# Altium PCB PCB2.PcbDoc (part 1 of 2)
Units mm, origin at the board's own origin, x right, y up, seen from the top; angles counter-clockwise.
Board outline 124.33 x 164.59 mm, 2 copper layers (Top Layer, Bottom Layer); 320 components, 0 nets, 960 pads, 0 vias.
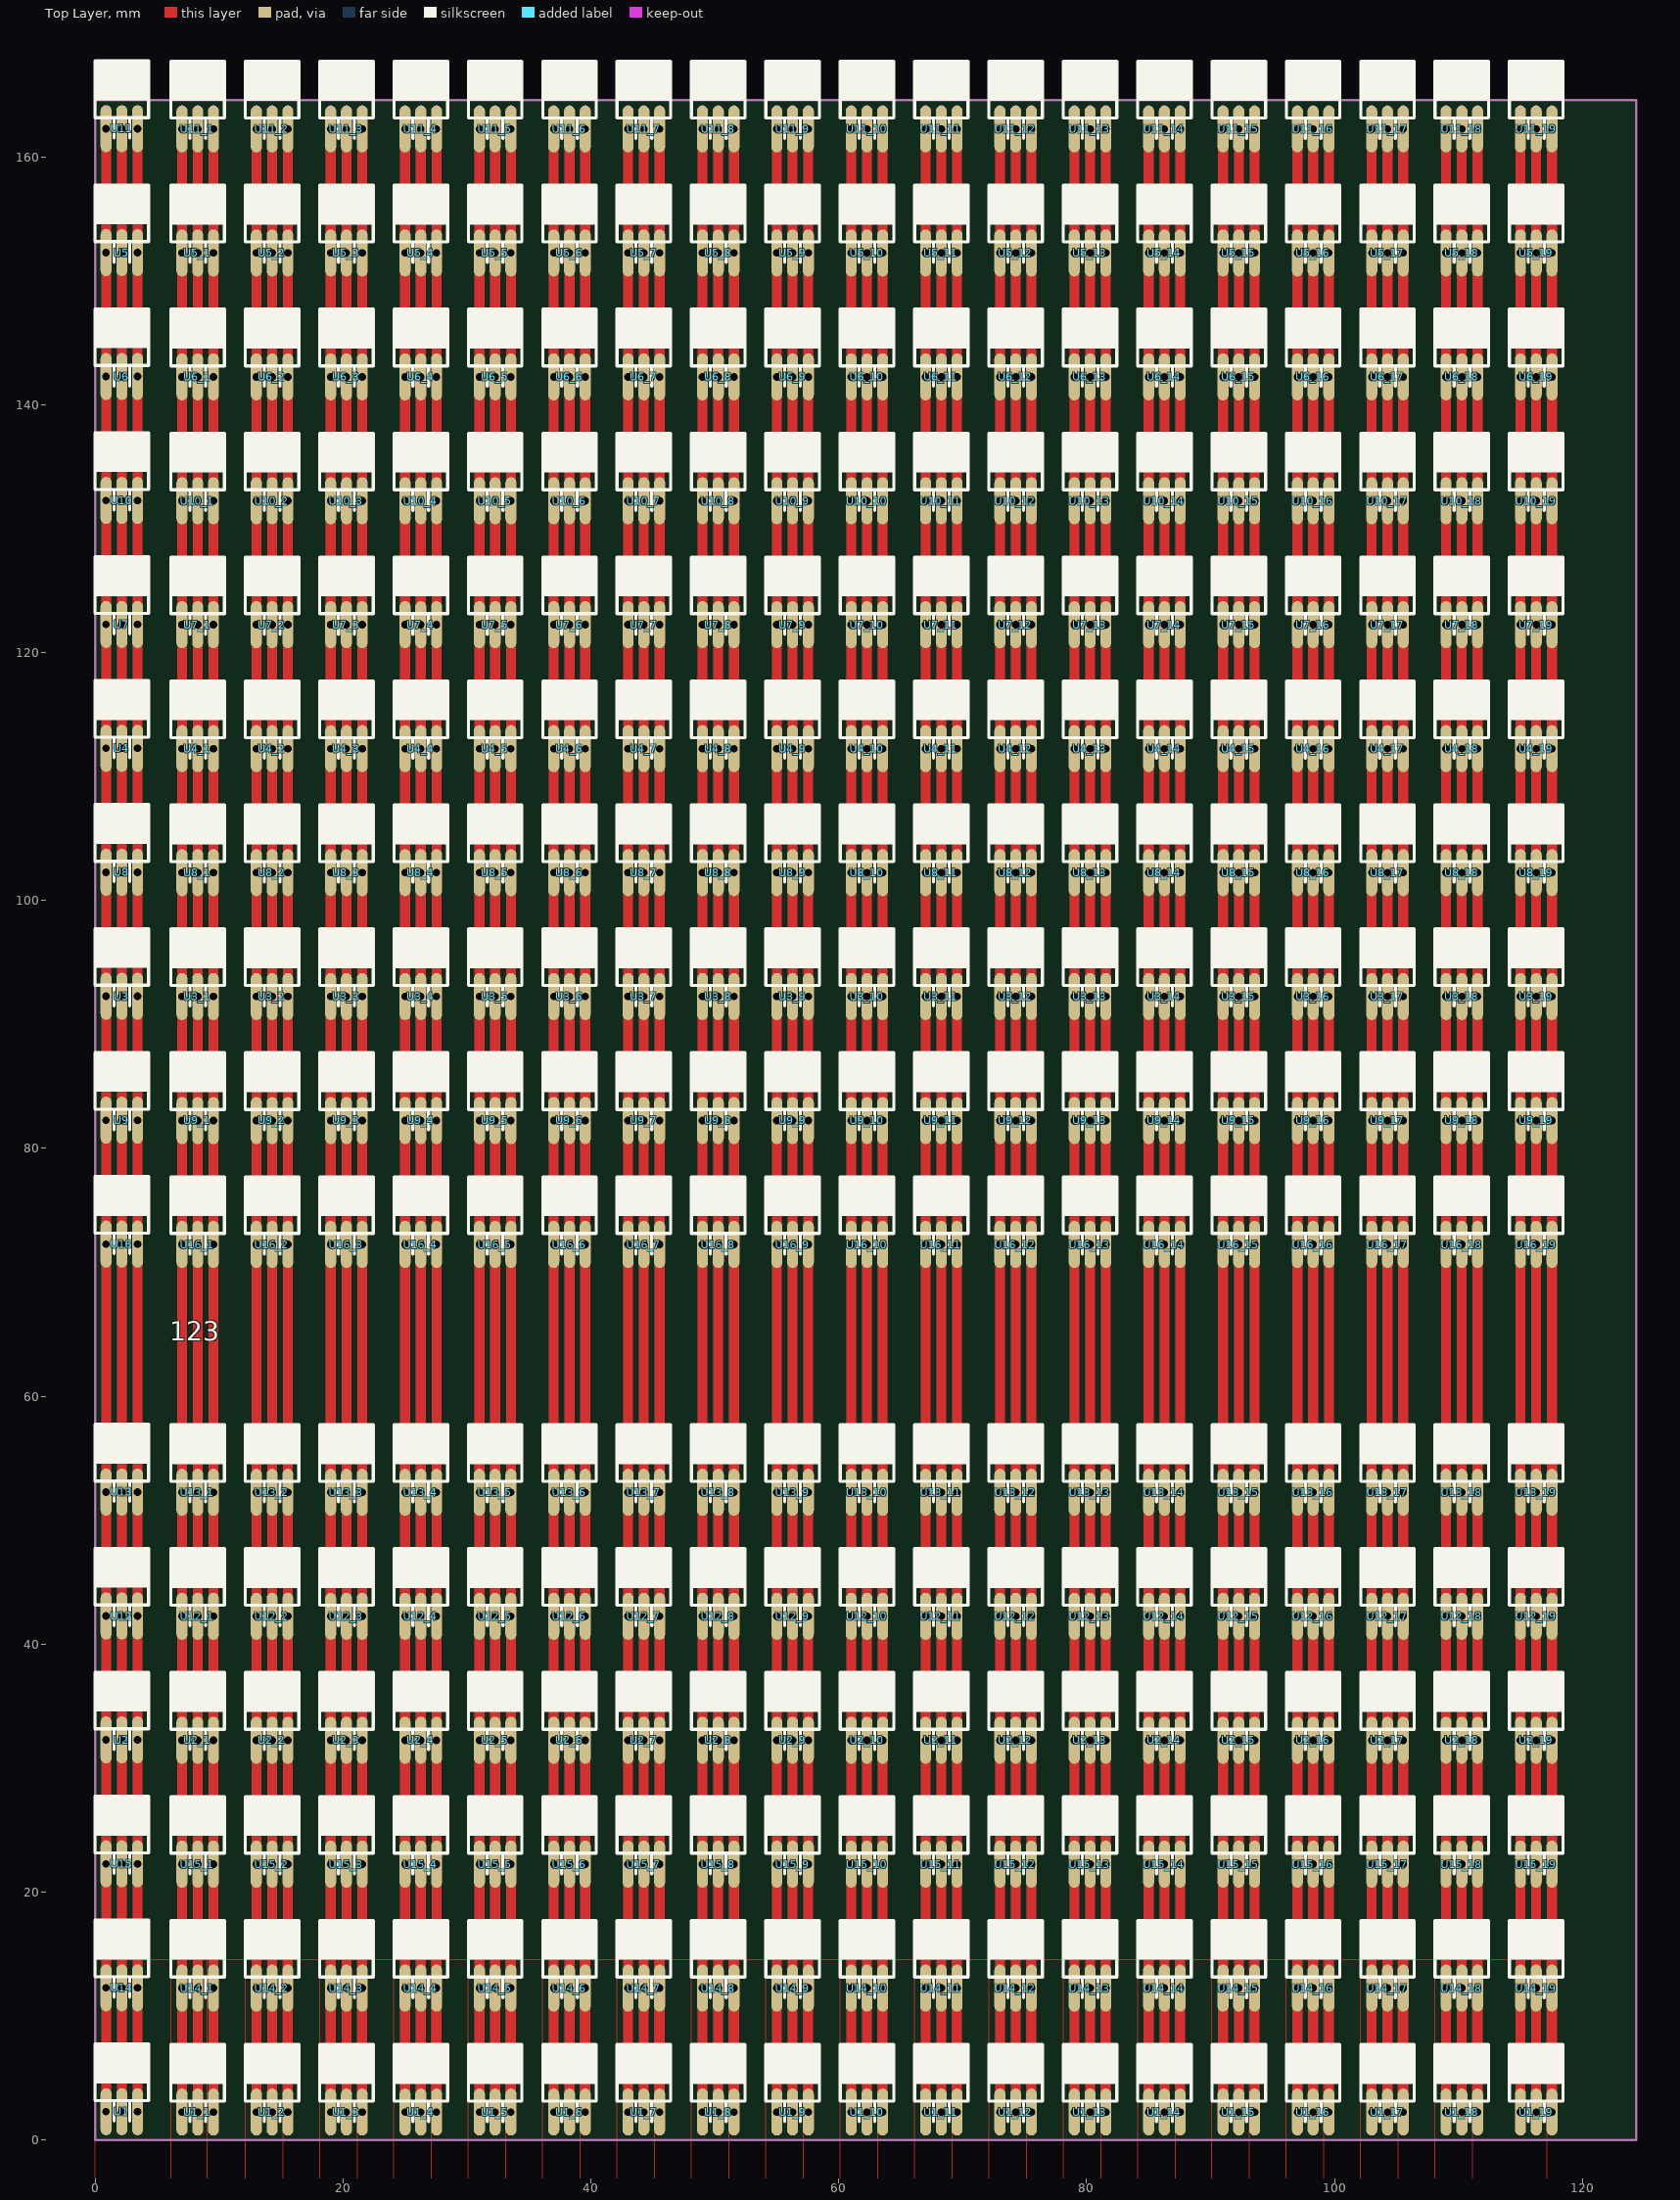
[diagram p0: Top Layer view]
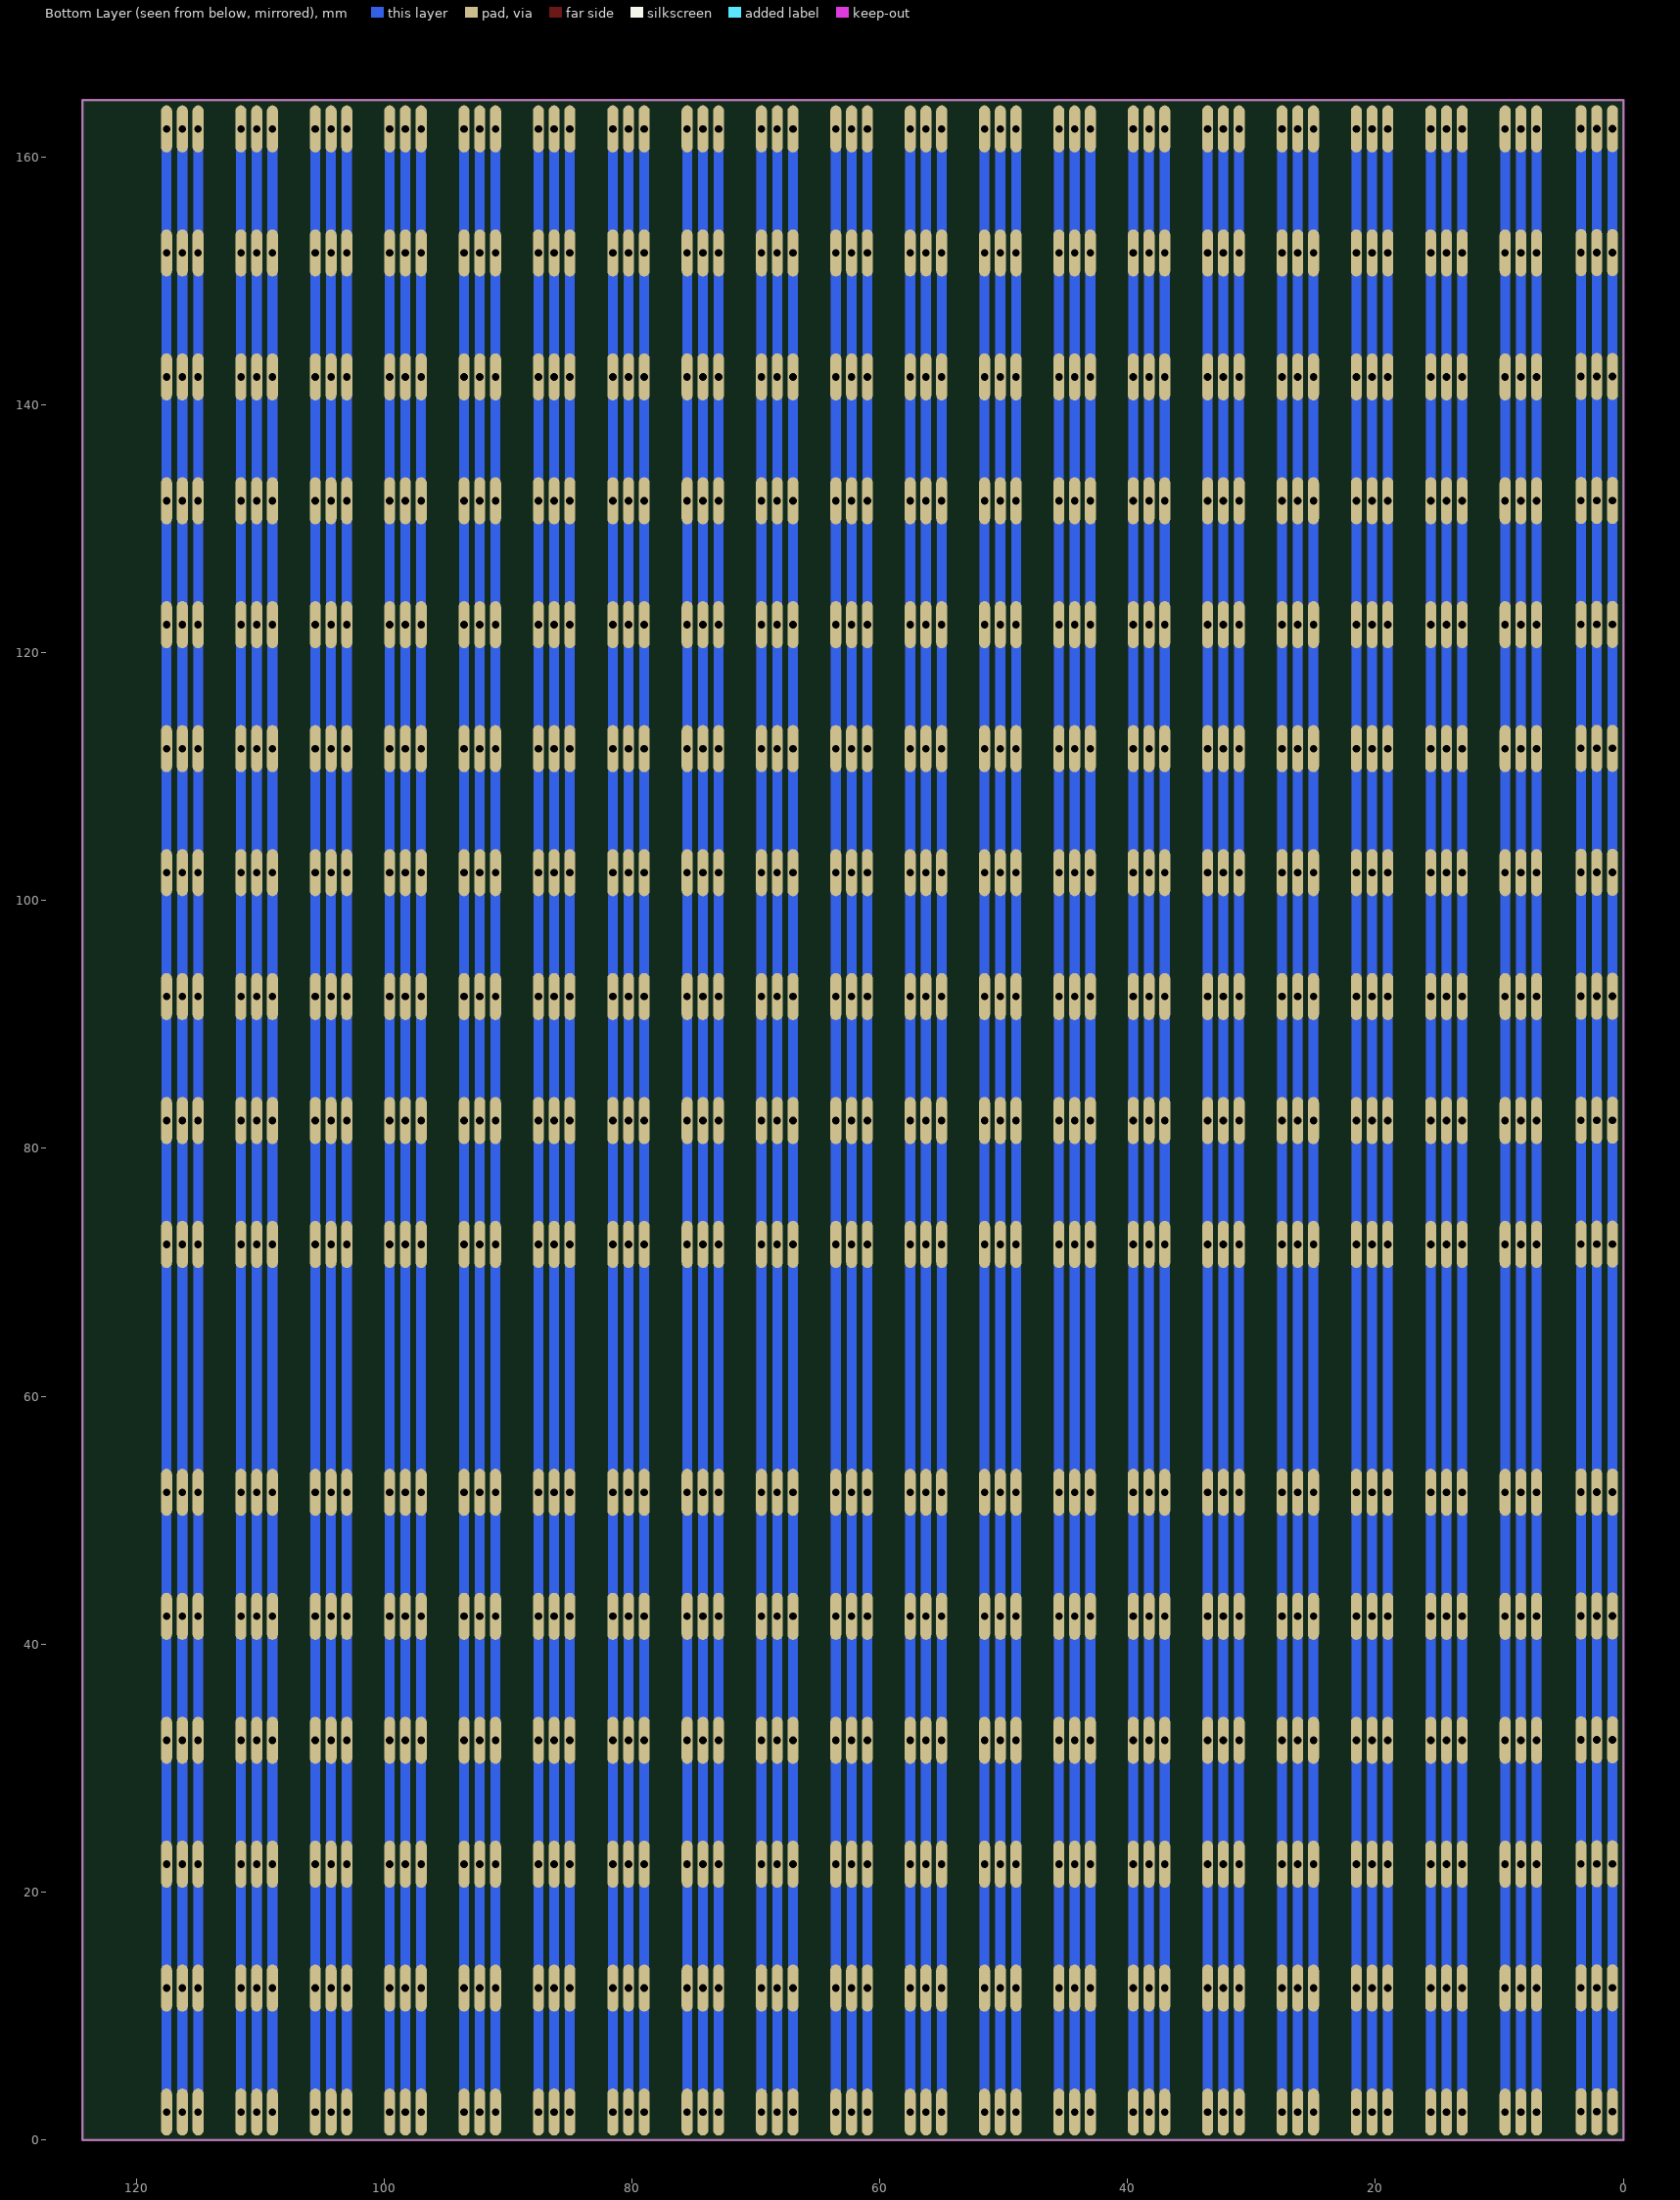
[diagram p1: Bottom Layer view, seen from below]

## Layer stack, top to bottom
Top Solder: solder mask 0.0102, Solder Resist, Dk 3.5
Top Layer: signal copper 0.0356
Dielectric 1: dielectric 0.32, FR-4, Dk 4.8
Bottom Layer: signal copper 0.0356
Bottom Solder: solder mask 0.0102, Solder Resist, Dk 3.5

## Board outline
-0.009,-0.006 124.324,-0.006 124.324,164.586 -0.009,164.586

## Design rules (kind name [scope] priority, off if disabled: settings)
Clearance [All] p1: gap=0.254 ignorepadtopadclearanceinfootprint=FALSE
PolygonConnect [All] p1: connectstyle=Relief reliefconductorwidth=0.254 reliefentries=4 polygonreliefangle="90 Angle" airgapwidth=0.254
RoutingVias [All] p1: holewidth=0.711 width=1.27 viastyle="Through Hole" minholewidth=0.711 minwidth=1.27 maxholewidth=0.711 maxwidth=1.27
SolderMaskExpansion [All] p1: expansion=0.102 istentingtop=FALSE
Width [All] p1: maxlimit=0.254 minlimit=0.254 preferedwidth=0.254
30 further rules are at their usual default settings.

## Components (designator, comment, footprint, x,y, rotation, side; value= is the part's Value field where it differs from the comment)
U1 "U1881_Hall" U1881 2.145,6.209 r0 top
U1_1 "U1881_Hall" U1881 8.27,6.184 r0 top (schematic designator U1)
U1_2 "U1881_Hall" U1881 14.27,6.184 r0 top (schematic designator U1)
U1_3 "U1881_Hall" U1881 20.27,6.184 r0 top (schematic designator U1)
U1_4 "U1881_Hall" U1881 26.27,6.184 r0 top (schematic designator U1)
U1_5 "U1881_Hall" U1881 32.27,6.184 r0 top (schematic designator U1)
U1_6 "U1881_Hall" U1881 38.27,6.184 r0 top (schematic designator U1)
U1_7 "U1881_Hall" U1881 44.27,6.184 r0 top (schematic designator U1)
U1_8 "U1881_Hall" U1881 50.27,6.184 r0 top (schematic designator U1)
U1_9 "U1881_Hall" U1881 56.27,6.184 r0 top (schematic designator U1)
U1_10 "U1881_Hall" U1881 62.27,6.184 r0 top (schematic designator U1)
U1_11 "U1881_Hall" U1881 68.27,6.184 r0 top (schematic designator U1)
U1_12 "U1881_Hall" U1881 74.27,6.184 r0 top (schematic designator U1)
U1_13 "U1881_Hall" U1881 80.27,6.184 r0 top (schematic designator U1)
U1_14 "U1881_Hall" U1881 86.27,6.184 r0 top (schematic designator U1)
U1_15 "U1881_Hall" U1881 92.27,6.184 r0 top (schematic designator U1)
U1_16 "U1881_Hall" U1881 98.27,6.184 r0 top (schematic designator U1)
U1_17 "U1881_Hall" U1881 104.27,6.184 r0 top (schematic designator U1)
U1_18 "U1881_Hall" U1881 110.27,6.184 r0 top (schematic designator U1)
U1_19 "U1881_Hall" U1881 116.27,6.184 r0 top (schematic designator U1)
U2 "U1881_Hall" U1881 2.145,36.209 r0 top
U2_1 "U1881_Hall" U1881 8.27,36.184 r0 top (schematic designator U2)
U2_2 "U1881_Hall" U1881 14.27,36.184 r0 top (schematic designator U2)
U2_3 "U1881_Hall" U1881 20.27,36.184 r0 top (schematic designator U2)
U2_4 "U1881_Hall" U1881 26.27,36.184 r0 top (schematic designator U2)
U2_5 "U1881_Hall" U1881 32.27,36.184 r0 top (schematic designator U2)
U2_6 "U1881_Hall" U1881 38.27,36.184 r0 top (schematic designator U2)
U2_7 "U1881_Hall" U1881 44.27,36.184 r0 top (schematic designator U2)
U2_8 "U1881_Hall" U1881 50.27,36.184 r0 top (schematic designator U2)
U2_9 "U1881_Hall" U1881 56.27,36.184 r0 top (schematic designator U2)
U2_10 "U1881_Hall" U1881 62.27,36.184 r0 top (schematic designator U2)
U2_11 "U1881_Hall" U1881 68.27,36.184 r0 top (schematic designator U2)
U2_12 "U1881_Hall" U1881 74.27,36.184 r0 top (schematic designator U2)
U2_13 "U1881_Hall" U1881 80.27,36.184 r0 top (schematic designator U2)
U2_14 "U1881_Hall" U1881 86.27,36.184 r0 top (schematic designator U2)
U2_15 "U1881_Hall" U1881 92.27,36.184 r0 top (schematic designator U2)
U2_16 "U1881_Hall" U1881 98.27,36.184 r0 top (schematic designator U2)
U2_17 "U1881_Hall" U1881 104.27,36.184 r0 top (schematic designator U2)
U2_18 "U1881_Hall" U1881 110.27,36.184 r0 top (schematic designator U2)
U2_19 "U1881_Hall" U1881 116.27,36.184 r0 top (schematic designator U2)
U3 "U1881_Hall" U1881 2.145,96.209 r0 top
U3_1 "U1881_Hall" U1881 8.27,96.184 r0 top (schematic designator U3)
U3_2 "U1881_Hall" U1881 14.27,96.184 r0 top (schematic designator U3)
U3_3 "U1881_Hall" U1881 20.27,96.184 r0 top (schematic designator U3)
U3_4 "U1881_Hall" U1881 26.27,96.184 r0 top (schematic designator U3)
U3_5 "U1881_Hall" U1881 32.27,96.184 r0 top (schematic designator U3)
U3_6 "U1881_Hall" U1881 38.27,96.184 r0 top (schematic designator U3)
U3_7 "U1881_Hall" U1881 44.27,96.184 r0 top (schematic designator U3)
U3_8 "U1881_Hall" U1881 50.27,96.184 r0 top (schematic designator U3)
U3_9 "U1881_Hall" U1881 56.27,96.184 r0 top (schematic designator U3)
U3_10 "U1881_Hall" U1881 62.27,96.184 r0 top (schematic designator U3)
U3_11 "U1881_Hall" U1881 68.27,96.184 r0 top (schematic designator U3)
U3_12 "U1881_Hall" U1881 74.27,96.184 r0 top (schematic designator U3)
U3_13 "U1881_Hall" U1881 80.27,96.184 r0 top (schematic designator U3)
U3_14 "U1881_Hall" U1881 86.27,96.184 r0 top (schematic designator U3)
U3_15 "U1881_Hall" U1881 92.27,96.184 r0 top (schematic designator U3)
U3_16 "U1881_Hall" U1881 98.27,96.184 r0 top (schematic designator U3)
U3_17 "U1881_Hall" U1881 104.27,96.184 r0 top (schematic designator U3)
U3_18 "U1881_Hall" U1881 110.27,96.184 r0 top (schematic designator U3)
U3_19 "U1881_Hall" U1881 116.27,96.184 r0 top (schematic designator U3)
U4 "U1881_Hall" U1881 2.145,116.209 r0 top
U4_1 "U1881_Hall" U1881 8.27,116.184 r0 top (schematic designator U4)
U4_2 "U1881_Hall" U1881 14.27,116.184 r0 top (schematic designator U4)
U4_3 "U1881_Hall" U1881 20.27,116.184 r0 top (schematic designator U4)
U4_4 "U1881_Hall" U1881 26.27,116.184 r0 top (schematic designator U4)
U4_5 "U1881_Hall" U1881 32.27,116.184 r0 top (schematic designator U4)
U4_6 "U1881_Hall" U1881 38.27,116.184 r0 top (schematic designator U4)
U4_7 "U1881_Hall" U1881 44.27,116.184 r0 top (schematic designator U4)
U4_8 "U1881_Hall" U1881 50.27,116.184 r0 top (schematic designator U4)
U4_9 "U1881_Hall" U1881 56.27,116.184 r0 top (schematic designator U4)
U4_10 "U1881_Hall" U1881 62.27,116.184 r0 top (schematic designator U4)
U4_11 "U1881_Hall" U1881 68.27,116.184 r0 top (schematic designator U4)
U4_12 "U1881_Hall" U1881 74.27,116.184 r0 top (schematic designator U4)
U4_13 "U1881_Hall" U1881 80.27,116.184 r0 top (schematic designator U4)
U4_14 "U1881_Hall" U1881 86.27,116.184 r0 top (schematic designator U4)
U4_15 "U1881_Hall" U1881 92.27,116.184 r0 top (schematic designator U4)
U4_16 "U1881_Hall" U1881 98.27,116.184 r0 top (schematic designator U4)
U4_17 "U1881_Hall" U1881 104.27,116.184 r0 top (schematic designator U4)
U4_18 "U1881_Hall" U1881 110.27,116.184 r0 top (schematic designator U4)
U4_19 "U1881_Hall" U1881 116.27,116.184 r0 top (schematic designator U4)
U5 "U1881_Hall" U1881 2.145,156.209 r0 top
U5_1 "U1881_Hall" U1881 8.27,156.184 r0 top (schematic designator U5)
U5_2 "U1881_Hall" U1881 14.27,156.184 r0 top (schematic designator U5)
U5_3 "U1881_Hall" U1881 20.27,156.184 r0 top (schematic designator U5)
U5_4 "U1881_Hall" U1881 26.27,156.184 r0 top (schematic designator U5)
U5_5 "U1881_Hall" U1881 32.27,156.184 r0 top (schematic designator U5)
U5_6 "U1881_Hall" U1881 38.27,156.184 r0 top (schematic designator U5)
U5_7 "U1881_Hall" U1881 44.27,156.184 r0 top (schematic designator U5)
U5_8 "U1881_Hall" U1881 50.27,156.184 r0 top (schematic designator U5)
U5_9 "U1881_Hall" U1881 56.27,156.184 r0 top (schematic designator U5)
U5_10 "U1881_Hall" U1881 62.27,156.184 r0 top (schematic designator U5)
U5_11 "U1881_Hall" U1881 68.27,156.184 r0 top (schematic designator U5)
U5_12 "U1881_Hall" U1881 74.27,156.184 r0 top (schematic designator U5)
U5_13 "U1881_Hall" U1881 80.27,156.184 r0 top (schematic designator U5)
U5_14 "U1881_Hall" U1881 86.27,156.184 r0 top (schematic designator U5)
U5_15 "U1881_Hall" U1881 92.27,156.184 r0 top (schematic designator U5)
U5_16 "U1881_Hall" U1881 98.27,156.184 r0 top (schematic designator U5)
U5_17 "U1881_Hall" U1881 104.27,156.184 r0 top (schematic designator U5)
U5_18 "U1881_Hall" U1881 110.27,156.184 r0 top (schematic designator U5)
U5_19 "U1881_Hall" U1881 116.27,156.184 r0 top (schematic designator U5)
U6 "U1881_Hall" U1881 2.145,146.209 r0 top
U6_1 "U1881_Hall" U1881 8.27,146.184 r0 top (schematic designator U6)
U6_2 "U1881_Hall" U1881 14.27,146.184 r0 top (schematic designator U6)
U6_3 "U1881_Hall" U1881 20.27,146.184 r0 top (schematic designator U6)
U6_4 "U1881_Hall" U1881 26.27,146.184 r0 top (schematic designator U6)
U6_5 "U1881_Hall" U1881 32.27,146.184 r0 top (schematic designator U6)
U6_6 "U1881_Hall" U1881 38.27,146.184 r0 top (schematic designator U6)
U6_7 "U1881_Hall" U1881 44.27,146.184 r0 top (schematic designator U6)
U6_8 "U1881_Hall" U1881 50.27,146.184 r0 top (schematic designator U6)
U6_9 "U1881_Hall" U1881 56.27,146.184 r0 top (schematic designator U6)
U6_10 "U1881_Hall" U1881 62.27,146.184 r0 top (schematic designator U6)
U6_11 "U1881_Hall" U1881 68.27,146.184 r0 top (schematic designator U6)
U6_12 "U1881_Hall" U1881 74.27,146.184 r0 top (schematic designator U6)
U6_13 "U1881_Hall" U1881 80.27,146.184 r0 top (schematic designator U6)
U6_14 "U1881_Hall" U1881 86.27,146.184 r0 top (schematic designator U6)
U6_15 "U1881_Hall" U1881 92.27,146.184 r0 top (schematic designator U6)
U6_16 "U1881_Hall" U1881 98.27,146.184 r0 top (schematic designator U6)
U6_17 "U1881_Hall" U1881 104.27,146.184 r0 top (schematic designator U6)
U6_18 "U1881_Hall" U1881 110.27,146.184 r0 top (schematic designator U6)
U6_19 "U1881_Hall" U1881 116.27,146.184 r0 top (schematic designator U6)
U7 "U1881_Hall" U1881 2.145,126.209 r0 top
U7_1 "U1881_Hall" U1881 8.27,126.184 r0 top (schematic designator U7)
U7_2 "U1881_Hall" U1881 14.27,126.184 r0 top (schematic designator U7)
U7_3 "U1881_Hall" U1881 20.27,126.184 r0 top (schematic designator U7)
U7_4 "U1881_Hall" U1881 26.27,126.184 r0 top (schematic designator U7)
U7_5 "U1881_Hall" U1881 32.27,126.184 r0 top (schematic designator U7)
U7_6 "U1881_Hall" U1881 38.27,126.184 r0 top (schematic designator U7)
U7_7 "U1881_Hall" U1881 44.27,126.184 r0 top (schematic designator U7)
U7_8 "U1881_Hall" U1881 50.27,126.184 r0 top (schematic designator U7)
U7_9 "U1881_Hall" U1881 56.27,126.184 r0 top (schematic designator U7)
U7_10 "U1881_Hall" U1881 62.27,126.184 r0 top (schematic designator U7)
U7_11 "U1881_Hall" U1881 68.27,126.184 r0 top (schematic designator U7)
U7_12 "U1881_Hall" U1881 74.27,126.184 r0 top (schematic designator U7)
U7_13 "U1881_Hall" U1881 80.27,126.184 r0 top (schematic designator U7)
U7_14 "U1881_Hall" U1881 86.27,126.184 r0 top (schematic designator U7)
U7_15 "U1881_Hall" U1881 92.27,126.184 r0 top (schematic designator U7)
U7_16 "U1881_Hall" U1881 98.27,126.184 r0 top (schematic designator U7)
U7_17 "U1881_Hall" U1881 104.27,126.184 r0 top (schematic designator U7)
U7_18 "U1881_Hall" U1881 110.27,126.184 r0 top (schematic designator U7)
U7_19 "U1881_Hall" U1881 116.27,126.184 r0 top (schematic designator U7)
U8 "U1881_Hall" U1881 2.145,106.209 r0 top
U8_1 "U1881_Hall" U1881 8.27,106.184 r0 top (schematic designator U8)
U8_2 "U1881_Hall" U1881 14.27,106.184 r0 top (schematic designator U8)
U8_3 "U1881_Hall" U1881 20.27,106.184 r0 top (schematic designator U8)
U8_4 "U1881_Hall" U1881 26.27,106.184 r0 top (schematic designator U8)
U8_5 "U1881_Hall" U1881 32.27,106.184 r0 top (schematic designator U8)
U8_6 "U1881_Hall" U1881 38.27,106.184 r0 top (schematic designator U8)
U8_7 "U1881_Hall" U1881 44.27,106.184 r0 top (schematic designator U8)
U8_8 "U1881_Hall" U1881 50.27,106.184 r0 top (schematic designator U8)
U8_9 "U1881_Hall" U1881 56.27,106.184 r0 top (schematic designator U8)
U8_10 "U1881_Hall" U1881 62.27,106.184 r0 top (schematic designator U8)
U8_11 "U1881_Hall" U1881 68.27,106.184 r0 top (schematic designator U8)
U8_12 "U1881_Hall" U1881 74.27,106.184 r0 top (schematic designator U8)
U8_13 "U1881_Hall" U1881 80.27,106.184 r0 top (schematic designator U8)
U8_14 "U1881_Hall" U1881 86.27,106.184 r0 top (schematic designator U8)
U8_15 "U1881_Hall" U1881 92.27,106.184 r0 top (schematic designator U8)
U8_16 "U1881_Hall" U1881 98.27,106.184 r0 top (schematic designator U8)
U8_17 "U1881_Hall" U1881 104.27,106.184 r0 top (schematic designator U8)
U8_18 "U1881_Hall" U1881 110.27,106.184 r0 top (schematic designator U8)
U8_19 "U1881_Hall" U1881 116.27,106.184 r0 top (schematic designator U8)
U9 "U1881_Hall" U1881 2.145,86.209 r0 top
U9_1 "U1881_Hall" U1881 8.27,86.184 r0 top (schematic designator U9)
U9_2 "U1881_Hall" U1881 14.27,86.184 r0 top (schematic designator U9)
U9_3 "U1881_Hall" U1881 20.27,86.184 r0 top (schematic designator U9)
U9_4 "U1881_Hall" U1881 26.27,86.184 r0 top (schematic designator U9)
U9_5 "U1881_Hall" U1881 32.27,86.184 r0 top (schematic designator U9)
U9_6 "U1881_Hall" U1881 38.27,86.184 r0 top (schematic designator U9)
U9_7 "U1881_Hall" U1881 44.27,86.184 r0 top (schematic designator U9)
U9_8 "U1881_Hall" U1881 50.27,86.184 r0 top (schematic designator U9)
U9_9 "U1881_Hall" U1881 56.27,86.184 r0 top (schematic designator U9)
U9_10 "U1881_Hall" U1881 62.27,86.184 r0 top (schematic designator U9)
U9_11 "U1881_Hall" U1881 68.27,86.184 r0 top (schematic designator U9)
U9_12 "U1881_Hall" U1881 74.27,86.184 r0 top (schematic designator U9)
U9_13 "U1881_Hall" U1881 80.27,86.184 r0 top (schematic designator U9)
U9_14 "U1881_Hall" U1881 86.27,86.184 r0 top (schematic designator U9)
U9_15 "U1881_Hall" U1881 92.27,86.184 r0 top (schematic designator U9)
U9_16 "U1881_Hall" U1881 98.27,86.184 r0 top (schematic designator U9)
U9_17 "U1881_Hall" U1881 104.27,86.184 r0 top (schematic designator U9)
U9_18 "U1881_Hall" U1881 110.27,86.184 r0 top (schematic designator U9)
U9_19 "U1881_Hall" U1881 116.27,86.184 r0 top (schematic designator U9)
U10 "U1881_Hall" U1881 2.145,136.209 r0 top
U10_1 "U1881_Hall" U1881 8.27,136.184 r0 top (schematic designator U10)
U10_2 "U1881_Hall" U1881 14.27,136.184 r0 top (schematic designator U10)
U10_3 "U1881_Hall" U1881 20.27,136.184 r0 top (schematic designator U10)
U10_4 "U1881_Hall" U1881 26.27,136.184 r0 top (schematic designator U10)
U10_5 "U1881_Hall" U1881 32.27,136.184 r0 top (schematic designator U10)
U10_6 "U1881_Hall" U1881 38.27,136.184 r0 top (schematic designator U10)
U10_7 "U1881_Hall" U1881 44.27,136.184 r0 top (schematic designator U10)
U10_8 "U1881_Hall" U1881 50.27,136.184 r0 top (schematic designator U10)
U10_9 "U1881_Hall" U1881 56.27,136.184 r0 top (schematic designator U10)
U10_10 "U1881_Hall" U1881 62.27,136.184 r0 top (schematic designator U10)
U10_11 "U1881_Hall" U1881 68.27,136.184 r0 top (schematic designator U10)
U10_12 "U1881_Hall" U1881 74.27,136.184 r0 top (schematic designator U10)
U10_13 "U1881_Hall" U1881 80.27,136.184 r0 top (schematic designator U10)
U10_14 "U1881_Hall" U1881 86.27,136.184 r0 top (schematic designator U10)
U10_15 "U1881_Hall" U1881 92.27,136.184 r0 top (schematic designator U10)
U10_16 "U1881_Hall" U1881 98.27,136.184 r0 top (schematic designator U10)
U10_17 "U1881_Hall" U1881 104.27,136.184 r0 top (schematic designator U10)
U10_18 "U1881_Hall" U1881 110.27,136.184 r0 top (schematic designator U10)
U10_19 "U1881_Hall" U1881 116.27,136.184 r0 top (schematic designator U10)
U11 "U1881_Hall" U1881 2.145,166.209 r0 top
U11_1 "U1881_Hall" U1881 8.27,166.184 r0 top (schematic designator U11)
U11_2 "U1881_Hall" U1881 14.27,166.184 r0 top (schematic designator U11)
U11_3 "U1881_Hall" U1881 20.27,166.184 r0 top (schematic designator U11)
U11_4 "U1881_Hall" U1881 26.27,166.184 r0 top (schematic designator U11)
U11_5 "U1881_Hall" U1881 32.27,166.184 r0 top (schematic designator U11)
U11_6 "U1881_Hall" U1881 38.27,166.184 r0 top (schematic designator U11)
U11_7 "U1881_Hall" U1881 44.27,166.184 r0 top (schematic designator U11)
U11_8 "U1881_Hall" U1881 50.27,166.184 r0 top (schematic designator U11)
U11_9 "U1881_Hall" U1881 56.27,166.184 r0 top (schematic designator U11)
U11_10 "U1881_Hall" U1881 62.27,166.184 r0 top (schematic designator U11)
U11_11 "U1881_Hall" U1881 68.27,166.184 r0 top (schematic designator U11)
U11_12 "U1881_Hall" U1881 74.27,166.184 r0 top (schematic designator U11)
U11_13 "U1881_Hall" U1881 80.27,166.184 r0 top (schematic designator U11)
U11_14 "U1881_Hall" U1881 86.27,166.184 r0 top (schematic designator U11)
U11_15 "U1881_Hall" U1881 92.27,166.184 r0 top (schematic designator U11)
U11_16 "U1881_Hall" U1881 98.27,166.184 r0 top (schematic designator U11)
U11_17 "U1881_Hall" U1881 104.27,166.184 r0 top (schematic designator U11)
U11_18 "U1881_Hall" U1881 110.27,166.184 r0 top (schematic designator U11)
U11_19 "U1881_Hall" U1881 116.27,166.184 r0 top (schematic designator U11)
U12 "U1881_Hall" U1881 2.145,46.209 r0 top
U12_1 "U1881_Hall" U1881 8.27,46.184 r0 top (schematic designator U12)
U12_2 "U1881_Hall" U1881 14.27,46.184 r0 top (schematic designator U12)
U12_3 "U1881_Hall" U1881 20.27,46.184 r0 top (schematic designator U12)
U12_4 "U1881_Hall" U1881 26.27,46.184 r0 top (schematic designator U12)
U12_5 "U1881_Hall" U1881 32.27,46.184 r0 top (schematic designator U12)
U12_6 "U1881_Hall" U1881 38.27,46.184 r0 top (schematic designator U12)
U12_7 "U1881_Hall" U1881 44.27,46.184 r0 top (schematic designator U12)
U12_8 "U1881_Hall" U1881 50.27,46.184 r0 top (schematic designator U12)
U12_9 "U1881_Hall" U1881 56.27,46.184 r0 top (schematic designator U12)
U12_10 "U1881_Hall" U1881 62.27,46.184 r0 top (schematic designator U12)
U12_11 "U1881_Hall" U1881 68.27,46.184 r0 top (schematic designator U12)
U12_12 "U1881_Hall" U1881 74.27,46.184 r0 top (schematic designator U12)
U12_13 "U1881_Hall" U1881 80.27,46.184 r0 top (schematic designator U12)
U12_14 "U1881_Hall" U1881 86.27,46.184 r0 top (schematic designator U12)
U12_15 "U1881_Hall" U1881 92.27,46.184 r0 top (schematic designator U12)
U12_16 "U1881_Hall" U1881 98.27,46.184 r0 top (schematic designator U12)
U12_17 "U1881_Hall" U1881 104.27,46.184 r0 top (schematic designator U12)
U12_18 "U1881_Hall" U1881 110.27,46.184 r0 top (schematic designator U12)
U12_19 "U1881_Hall" U1881 116.27,46.184 r0 top (schematic designator U12)
U13 "U1881_Hall" U1881 2.145,56.209 r0 top
U13_1 "U1881_Hall" U1881 8.27,56.184 r0 top (schematic designator U13)
U13_2 "U1881_Hall" U1881 14.27,56.184 r0 top (schematic designator U13)
U13_3 "U1881_Hall" U1881 20.27,56.184 r0 top (schematic designator U13)
U13_4 "U1881_Hall" U1881 26.27,56.184 r0 top (schematic designator U13)
U13_5 "U1881_Hall" U1881 32.27,56.184 r0 top (schematic designator U13)
U13_6 "U1881_Hall" U1881 38.27,56.184 r0 top (schematic designator U13)
U13_7 "U1881_Hall" U1881 44.27,56.184 r0 top (schematic designator U13)
U13_8 "U1881_Hall" U1881 50.27,56.184 r0 top (schematic designator U13)
U13_9 "U1881_Hall" U1881 56.27,56.184 r0 top (schematic designator U13)
U13_10 "U1881_Hall" U1881 62.27,56.184 r0 top (schematic designator U13)
U13_11 "U1881_Hall" U1881 68.27,56.184 r0 top (schematic designator U13)
U13_12 "U1881_Hall" U1881 74.27,56.184 r0 top (schematic designator U13)
U13_13 "U1881_Hall" U1881 80.27,56.184 r0 top (schematic designator U13)
U13_14 "U1881_Hall" U1881 86.27,56.184 r0 top (schematic designator U13)
U13_15 "U1881_Hall" U1881 92.27,56.184 r0 top (schematic designator U13)
U13_16 "U1881_Hall" U1881 98.27,56.184 r0 top (schematic designator U13)
U13_17 "U1881_Hall" U1881 104.27,56.184 r0 top (schematic designator U13)
U13_18 "U1881_Hall" U1881 110.27,56.184 r0 top (schematic designator U13)
U13_19 "U1881_Hall" U1881 116.27,56.184 r0 top (schematic designator U13)
U14 "U1881_Hall" U1881 2.145,16.209 r0 top
U14_1 "U1881_Hall" U1881 8.27,16.184 r0 top (schematic designator U14)
U14_2 "U1881_Hall" U1881 14.27,16.184 r0 top (schematic designator U14)
U14_3 "U1881_Hall" U1881 20.27,16.184 r0 top (schematic designator U14)
U14_4 "U1881_Hall" U1881 26.27,16.184 r0 top (schematic designator U14)
U14_5 "U1881_Hall" U1881 32.27,16.184 r0 top (schematic designator U14)
U14_6 "U1881_Hall" U1881 38.27,16.184 r0 top (schematic designator U14)
U14_7 "U1881_Hall" U1881 44.27,16.184 r0 top (schematic designator U14)
U14_8 "U1881_Hall" U1881 50.27,16.184 r0 top (schematic designator U14)
U14_9 "U1881_Hall" U1881 56.27,16.184 r0 top (schematic designator U14)
U14_10 "U1881_Hall" U1881 62.27,16.184 r0 top (schematic designator U14)
U14_11 "U1881_Hall" U1881 68.27,16.184 r0 top (schematic designator U14)
U14_12 "U1881_Hall" U1881 74.27,16.184 r0 top (schematic designator U14)
U14_13 "U1881_Hall" U1881 80.27,16.184 r0 top (schematic designator U14)
U14_14 "U1881_Hall" U1881 86.27,16.184 r0 top (schematic designator U14)
U14_15 "U1881_Hall" U1881 92.27,16.184 r0 top (schematic designator U14)
U14_16 "U1881_Hall" U1881 98.27,16.184 r0 top (schematic designator U14)
U14_17 "U1881_Hall" U1881 104.27,16.184 r0 top (schematic designator U14)
U14_18 "U1881_Hall" U1881 110.27,16.184 r0 top (schematic designator U14)
U14_19 "U1881_Hall" U1881 116.27,16.184 r0 top (schematic designator U14)
U15 "U1881_Hall" U1881 2.145,26.209 r0 top
U15_1 "U1881_Hall" U1881 8.27,26.184 r0 top (schematic designator U15)
U15_2 "U1881_Hall" U1881 14.27,26.184 r0 top (schematic designator U15)
U15_3 "U1881_Hall" U1881 20.27,26.184 r0 top (schematic designator U15)
U15_4 "U1881_Hall" U1881 26.27,26.184 r0 top (schematic designator U15)
U15_5 "U1881_Hall" U1881 32.27,26.184 r0 top (schematic designator U15)
U15_6 "U1881_Hall" U1881 38.27,26.184 r0 top (schematic designator U15)
U15_7 "U1881_Hall" U1881 44.27,26.184 r0 top (schematic designator U15)
U15_8 "U1881_Hall" U1881 50.27,26.184 r0 top (schematic designator U15)
U15_9 "U1881_Hall" U1881 56.27,26.184 r0 top (schematic designator U15)
U15_10 "U1881_Hall" U1881 62.27,26.184 r0 top (schematic designator U15)
U15_11 "U1881_Hall" U1881 68.27,26.184 r0 top (schematic designator U15)
U15_12 "U1881_Hall" U1881 74.27,26.184 r0 top (schematic designator U15)
U15_13 "U1881_Hall" U1881 80.27,26.184 r0 top (schematic designator U15)
U15_14 "U1881_Hall" U1881 86.27,26.184 r0 top (schematic designator U15)
U15_15 "U1881_Hall" U1881 92.27,26.184 r0 top (schematic designator U15)
U15_16 "U1881_Hall" U1881 98.27,26.184 r0 top (schematic designator U15)
U15_17 "U1881_Hall" U1881 104.27,26.184 r0 top (schematic designator U15)
U15_18 "U1881_Hall" U1881 110.27,26.184 r0 top (schematic designator U15)
U15_19 "U1881_Hall" U1881 116.27,26.184 r0 top (schematic designator U15)
U16 "U1881_Hall" U1881 2.145,76.209 r0 top
U16_1 "U1881_Hall" U1881 8.27,76.184 r0 top (schematic designator U16)
U16_2 "U1881_Hall" U1881 14.27,76.184 r0 top (schematic designator U16)
U16_3 "U1881_Hall" U1881 20.27,76.184 r0 top (schematic designator U16)
U16_4 "U1881_Hall" U1881 26.27,76.184 r0 top (schematic designator U16)
U16_5 "U1881_Hall" U1881 32.27,76.184 r0 top (schematic designator U16)
U16_6 "U1881_Hall" U1881 38.27,76.184 r0 top (schematic designator U16)
U16_7 "U1881_Hall" U1881 44.27,76.184 r0 top (schematic designator U16)
U16_8 "U1881_Hall" U1881 50.27,76.184 r0 top (schematic designator U16)
U16_9 "U1881_Hall" U1881 56.27,76.184 r0 top (schematic designator U16)
U16_10 "U1881_Hall" U1881 62.27,76.184 r0 top (schematic designator U16)
U16_11 "U1881_Hall" U1881 68.27,76.184 r0 top (schematic designator U16)
U16_12 "U1881_Hall" U1881 74.27,76.184 r0 top (schematic designator U16)
U16_13 "U1881_Hall" U1881 80.27,76.184 r0 top (schematic designator U16)
U16_14 "U1881_Hall" U1881 86.27,76.184 r0 top (schematic designator U16)
U16_15 "U1881_Hall" U1881 92.27,76.184 r0 top (schematic designator U16)
U16_16 "U1881_Hall" U1881 98.27,76.184 r0 top (schematic designator U16)
U16_17 "U1881_Hall" U1881 104.27,76.184 r0 top (schematic designator U16)
U16_18 "U1881_Hall" U1881 110.27,76.184 r0 top (schematic designator U16)
U16_19 "U1881_Hall" U1881 116.27,76.184 r0 top (schematic designator U16)

## Footprints (in the part's own frame and the unit in brackets; to place one, negate y for a bottom-side part, rotate by r counter-clockwise, add the part's x,y. Pads: shape width x height; smd on the part's side, far side on the other; paste and mask are expansions set on the pad)
U1881 [mil]
  oval 35x149.61 hole 24: 1(-50,-155) 2(0,-155) 3(50,-155)
  silkscreen extent -85,-185 85,60, body extent -85,-163 85,63, height 81

## Nets (pads, with @x,y where several pads share a name; then routed paths per layer and width w, separated by ;. In a path a pad name is that pad's centre, name@x,y a point inside that pad or via, vN(x,y) a via of type N, cw(c..) or ccw(c..) an arc to the next point about the centre after c; other vN are vias at no path point)
pads on no net: U1.1 U1.2 U1.3 U1_1.1 U1_1.2 U1_1.3 U1_2.1 U1_2.2 U1_2.3 U1_3.1 U1_3.2 U1_3.3 U1_4.1 U1_4.2 U1_4.3 U1_5.1 U1_5.2 U1_5.3 U1_6.1 U1_6.2 U1_6.3 U1_7.1 U1_7.2 U1_7.3 U1_8.1 U1_8.2 U1_8.3 U1_9.1 U1_9.2 U1_9.3 U1_10.1 U1_10.2 U1_10.3 U1_11.1 U1_11.2 U1_11.3 U1_12.1 U1_12.2 U1_12.3 U1_13.1 U1_13.2 U1_13.3 U1_14.1 U1_14.2 U1_14.3 U1_15.1 U1_15.2 U1_15.3 U1_16.1 U1_16.2 U1_16.3 U1_17.1 U1_17.2 U1_17.3 U1_18.1 U1_18.2 U1_18.3 U1_19.1 U1_19.2 U1_19.3 U2.1 U2.2 U2.3 U2_1.1 U2_1.2 U2_1.3 U2_2.1 U2_2.2 U2_2.3 U2_3.1 U2_3.2 U2_3.3 U2_4.1 U2_4.2 U2_4.3 U2_5.1 U2_5.2 U2_5.3 U2_6.1 U2_6.2 U2_6.3 U2_7.1 U2_7.2 U2_7.3 U2_8.1 U2_8.2 U2_8.3 U2_9.1 U2_9.2 U2_9.3 U2_10.1 U2_10.2 U2_10.3 U2_11.1 U2_11.2 U2_11.3 U2_12.1 U2_12.2 U2_12.3 U2_13.1 U2_13.2 U2_13.3 U2_14.1 U2_14.2 U2_14.3 U2_15.1 U2_15.2 U2_15.3 U2_16.1 U2_16.2 U2_16.3 U2_17.1 U2_17.2 U2_17.3 U2_18.1 U2_18.2 U2_18.3 U2_19.1 U2_19.2 U2_19.3 U3.1 U3.2 U3.3 U3_1.1 U3_1.2 U3_1.3 U3_2.1 U3_2.2 U3_2.3 U3_3.1 U3_3.2 U3_3.3 U3_4.1 U3_4.2 U3_4.3 U3_5.1 U3_5.2 U3_5.3 U3_6.1 U3_6.2 U3_6.3 U3_7.1 U3_7.2 U3_7.3 U3_8.1 U3_8.2 U3_8.3 U3_9.1 U3_9.2 U3_9.3 U3_10.1 U3_10.2 U3_10.3 U3_11.1 U3_11.2 U3_11.3 U3_12.1 U3_12.2 U3_12.3 U3_13.1 U3_13.2 U3_13.3 U3_14.1 U3_14.2 U3_14.3 U3_15.1 U3_15.2 U3_15.3 U3_16.1 U3_16.2 U3_16.3 U3_17.1 U3_17.2 U3_17.3 U3_18.1 U3_18.2 U3_18.3 U3_19.1 U3_19.2 U3_19.3 U4.1 U4.2 U4.3 U4_1.1 U4_1.2 U4_1.3 U4_2.1 U4_2.2 U4_2.3 U4_3.1 U4_3.2 U4_3.3 U4_4.1 U4_4.2 U4_4.3 U4_5.1 U4_5.2 U4_5.3 U4_6.1 U4_6.2 U4_6.3 U4_7.1 U4_7.2 U4_7.3 U4_8.1 U4_8.2 U4_8.3 U4_9.1 U4_9.2 U4_9.3 U4_10.1 U4_10.2 U4_10.3 U4_11.1 U4_11.2 U4_11.3 U4_12.1 U4_12.2 U4_12.3 U4_13.1 U4_13.2 U4_13.3 U4_14.1 U4_14.2 U4_14.3 U4_15.1 U4_15.2 U4_15.3 U4_16.1 U4_16.2 U4_16.3 U4_17.1 U4_17.2 U4_17.3 U4_18.1 U4_18.2 U4_18.3 U4_19.1 U4_19.2 U4_19.3 U5.1 U5.2 U5.3 U5_1.1 U5_1.2 U5_1.3 U5_2.1 U5_2.2 U5_2.3 U5_3.1 U5_3.2 U5_3.3 U5_4.1 U5_4.2 U5_4.3 U5_5.1 U5_5.2 U5_5.3 U5_6.1 U5_6.2 U5_6.3 U5_7.1 U5_7.2 U5_7.3 U5_8.1 U5_8.2 U5_8.3 U5_9.1 U5_9.2 U5_9.3 U5_10.1 U5_10.2 U5_10.3 U5_11.1 U5_11.2 U5_11.3 U5_12.1 U5_12.2 U5_12.3 U5_13.1 U5_13.2 U5_13.3 U5_14.1 U5_14.2 U5_14.3 U5_15.1 U5_15.2 U5_15.3 U5_16.1 U5_16.2 U5_16.3 U5_17.1 U5_17.2 U5_17.3 U5_18.1 U5_18.2 U5_18.3 U5_19.1 U5_19.2 U5_19.3 U6.1 U6.2 U6.3 U6_1.1 U6_1.2 U6_1.3 U6_2.1 U6_2.2 U6_2.3 U6_3.1 U6_3.2 U6_3.3 U6_4.1 U6_4.2 U6_4.3 U6_5.1 U6_5.2 U6_5.3 U6_6.1 U6_6.2 U6_6.3 U6_7.1 U6_7.2 U6_7.3 U6_8.1 U6_8.2 U6_8.3 U6_9.1 U6_9.2 U6_9.3 U6_10.1 U6_10.2 U6_10.3 U6_11.1 U6_11.2 U6_11.3 U6_12.1 U6_12.2 U6_12.3 U6_13.1 U6_13.2 U6_13.3 U6_14.1 U6_14.2 U6_14.3 U6_15.1 U6_15.2 U6_15.3 U6_16.1 U6_16.2 U6_16.3 U6_17.1 U6_17.2 U6_17.3 U6_18.1 U6_18.2 U6_18.3 U6_19.1 U6_19.2 U6_19.3 U7.1 U7.2 U7.3 U7_1.1 U7_1.2 U7_1.3 U7_2.1 U7_2.2 U7_2.3 U7_3.1 U7_3.2 U7_3.3 U7_4.1 U7_4.2 U7_4.3 U7_5.1 U7_5.2 U7_5.3 U7_6.1 U7_6.2 U7_6.3 U7_7.1 U7_7.2 U7_7.3 U7_8.1 U7_8.2 U7_8.3 U7_9.1 U7_9.2 U7_9.3 U7_10.1 U7_10.2 U7_10.3 U7_11.1 U7_11.2 U7_11.3 U7_12.1 U7_12.2 U7_12.3 U7_13.1 U7_13.2 U7_13.3 U7_14.1 U7_14.2 U7_14.3 U7_15.1 U7_15.2 U7_15.3 U7_16.1 U7_16.2 U7_16.3 U7_17.1 U7_17.2 U7_17.3 U7_18.1 U7_18.2 U7_18.3 U7_19.1 U7_19.2 U7_19.3 U8.1 U8.2 U8.3 U8_1.1 U8_1.2 U8_1.3 U8_2.1 U8_2.2 U8_2.3 U8_3.1 U8_3.2 U8_3.3 U8_4.1 U8_4.2 U8_4.3 U8_5.1 U8_5.2 U8_5.3 U8_6.1 U8_6.2 U8_6.3 U8_7.1 U8_7.2 U8_7.3 U8_8.1 U8_8.2 U8_8.3 U8_9.1 U8_9.2 U8_9.3 U8_10.1 U8_10.2 U8_10.3 U8_11.1 U8_11.2 U8_11.3 U8_12.1 U8_12.2 U8_12.3 U8_13.1 U8_13.2 U8_13.3 U8_14.1 U8_14.2 U8_14.3 U8_15.1 U8_15.2 U8_15.3 U8_16.1 U8_16.2 U8_16.3 U8_17.1 U8_17.2 U8_17.3 U8_18.1 U8_18.2 U8_18.3 U8_19.1 U8_19.2 U8_19.3 U9.1 U9.2 U9.3 U9_1.1 U9_1.2 U9_1.3 U9_2.1 U9_2.2 U9_2.3 U9_3.1 U9_3.2 U9_3.3 U9_4.1 U9_4.2 U9_4.3 U9_5.1 U9_5.2 U9_5.3 U9_6.1 U9_6.2 U9_6.3 U9_7.1 U9_7.2 U9_7.3 U9_8.1 U9_8.2 U9_8.3 U9_9.1 U9_9.2 U9_9.3 U9_10.1 U9_10.2 U9_10.3 U9_11.1 U9_11.2 U9_11.3 U9_12.1 U9_12.2 U9_12.3 U9_13.1 U9_13.2 U9_13.3 U9_14.1 U9_14.2 U9_14.3 U9_15.1 U9_15.2 U9_15.3 U9_16.1 U9_16.2 U9_16.3 U9_17.1 U9_17.2 U9_17.3 U9_18.1 U9_18.2 U9_18.3 U9_19.1 U9_19.2 U9_19.3 U10.1 U10.2 U10.3 U10_1.1 U10_1.2 U10_1.3 U10_2.1 U10_2.2 U10_2.3 U10_3.1 U10_3.2 U10_3.3 U10_4.1 U10_4.2 U10_4.3 U10_5.1 U10_5.2 U10_5.3 U10_6.1 U10_6.2 U10_6.3 U10_7.1 U10_7.2 U10_7.3 U10_8.1 U10_8.2 U10_8.3 U10_9.1 U10_9.2 U10_9.3 U10_10.1 U10_10.2 U10_10.3 U10_11.1 U10_11.2 U10_11.3 U10_12.1 U10_12.2 U10_12.3 U10_13.1 U10_13.2 U10_13.3 U10_14.1 U10_14.2 U10_14.3 U10_15.1 U10_15.2 U10_15.3 U10_16.1 U10_16.2 U10_16.3 U10_17.1 U10_17.2 U10_17.3 U10_18.1 U10_18.2 U10_18.3 U10_19.1 U10_19.2 U10_19.3 U11.1 U11.2 U11.3 U11_1.1 U11_1.2 U11_1.3 U11_2.1 U11_2.2 U11_2.3 U11_3.1 U11_3.2 U11_3.3 U11_4.1 U11_4.2 U11_4.3 U11_5.1 U11_5.2 U11_5.3 U11_6.1 U11_6.2 U11_6.3 U11_7.1 U11_7.2 U11_7.3 U11_8.1 U11_8.2 U11_8.3 U11_9.1 U11_9.2 U11_9.3 U11_10.1 U11_10.2 U11_10.3 U11_11.1 U11_11.2 U11_11.3 U11_12.1 U11_12.2 U11_12.3 U11_13.1 U11_13.2 U11_13.3 U11_14.1 U11_14.2 U11_14.3 U11_15.1 U11_15.2 U11_15.3 U11_16.1 U11_16.2 U11_16.3 U11_17.1 U11_17.2 U11_17.3 U11_18.1 U11_18.2 U11_18.3 U11_19.1 U11_19.2 U11_19.3 U12.1 U12.2 U12.3 U12_1.1 U12_1.2 U12_1.3 U12_2.1 U12_2.2 U12_2.3 U12_3.1 U12_3.2 U12_3.3 U12_4.1 U12_4.2 U12_4.3 U12_5.1 U12_5.2 U12_5.3 U12_6.1 U12_6.2 U12_6.3 U12_7.1 U12_7.2 U12_7.3 U12_8.1 U12_8.2 U12_8.3 U12_9.1 U12_9.2 U12_9.3 U12_10.1 U12_10.2 U12_10.3 U12_11.1 U12_11.2 U12_11.3 U12_12.1 U12_12.2 U12_12.3 U12_13.1 U12_13.2 U12_13.3 U12_14.1 U12_14.2 U12_14.3 U12_15.1 U12_15.2 U12_15.3 U12_16.1 U12_16.2 U12_16.3 U12_17.1 U12_17.2 U12_17.3 U12_18.1 U12_18.2 U12_18.3 U12_19.1 U12_19.2 U12_19.3 U13.1 U13.2 U13.3 U13_1.1 U13_1.2 U13_1.3 U13_2.1 U13_2.2 U13_2.3 U13_3.1 U13_3.2 U13_3.3 U13_4.1 U13_4.2 U13_4.3 U13_5.1 U13_5.2 U13_5.3 U13_6.1 U13_6.2 U13_6.3 U13_7.1 U13_7.2 U13_7.3 U13_8.1 U13_8.2 U13_8.3 U13_9.1 U13_9.2 U13_9.3 U13_10.1 U13_10.2 U13_10.3 U13_11.1 U13_11.2 U13_11.3 U13_12.1 U13_12.2 U13_12.3 U13_13.1 U13_13.2 U13_13.3 U13_14.1 U13_14.2 U13_14.3 U13_15.1 U13_15.2 U13_15.3 U13_16.1 U13_16.2 U13_16.3 U13_17.1 U13_17.2 U13_17.3 U13_18.1 U13_18.2 U13_18.3 U13_19.1 U13_19.2 U13_19.3 U14.1 U14.2 U14.3 U14_1.1 U14_1.2 U14_1.3 U14_2.1 U14_2.2 U14_2.3 U14_3.1 U14_3.2 U14_3.3 U14_4.1 U14_4.2 U14_4.3 U14_5.1 U14_5.2 U14_5.3 U14_6.1 U14_6.2 U14_6.3 U14_7.1 U14_7.2 U14_7.3 U14_8.1 U14_8.2 U14_8.3 U14_9.1 U14_9.2 U14_9.3 U14_10.1 U14_10.2 U14_10.3 U14_11.1 U14_11.2 U14_11.3 U14_12.1 U14_12.2 U14_12.3 U14_13.1 U14_13.2 U14_13.3 U14_14.1 U14_14.2 U14_14.3 U14_15.1 U14_15.2 U14_15.3 U14_16.1 U14_16.2 U14_16.3 U14_17.1 U14_17.2 U14_17.3 U14_18.1 U14_18.2 U14_18.3 U14_19.1 U14_19.2 U14_19.3 U15.1 U15.2 U15.3 U15_1.1 U15_1.2 U15_1.3 U15_2.1 U15_2.2 U15_2.3 U15_3.1 U15_3.2 U15_3.3 U15_4.1 U15_4.2 U15_4.3 U15_5.1 U15_5.2 U15_5.3 U15_6.1 U15_6.2 U15_6.3 U15_7.1 U15_7.2 U15_7.3 U15_8.1 U15_8.2 U15_8.3 U15_9.1 U15_9.2 U15_9.3 U15_10.1 U15_10.2 U15_10.3 U15_11.1 U15_11.2 U15_11.3 U15_12.1 U15_12.2 U15_12.3 U15_13.1 U15_13.2 U15_13.3 U15_14.1 U15_14.2 U15_14.3 U15_15.1 U15_15.2 U15_15.3 U15_16.1 U15_16.2 U15_16.3 U15_17.1 U15_17.2 U15_17.3 U15_18.1 U15_18.2 U15_18.3 U15_19.1 U15_19.2 U15_19.3 U16.1 U16.2 U16.3 U16_1.1 U16_1.2 U16_1.3 U16_2.1 U16_2.2 U16_2.3 U16_3.1 U16_3.2 U16_3.3 U16_4.1 U16_4.2 U16_4.3 U16_5.1 U16_5.2 U16_5.3 U16_6.1 U16_6.2 U16_6.3 U16_7.1 U16_7.2 U16_7.3 U16_8.1 U16_8.2 U16_8.3 U16_9.1 U16_9.2 U16_9.3 U16_10.1 U16_10.2 U16_10.3 U16_11.1 U16_11.2 U16_11.3 U16_12.1 U16_12.2 U16_12.3 U16_13.1 U16_13.2 U16_13.3 U16_14.1 U16_14.2 U16_14.3 U16_15.1 U16_15.2 U16_15.3 U16_16.1 U16_16.2 U16_16.3 U16_17.1 U16_17.2 U16_17.3 U16_18.1 U16_18.2 U16_18.3 U16_19.1 U16_19.2 U16_19.3